# Altium PCB Motor_Controller_v2_1b.PcbDoc (part 2 of 2)
Units mil, origin at the board's own origin, x right, y up, seen from the top; angles counter-clockwise.
Board outline 5876 x 2101 mil, 2 copper layers (Top Layer, Bottom Layer); 253 components, 185 nets, 846 pads, 165 vias.
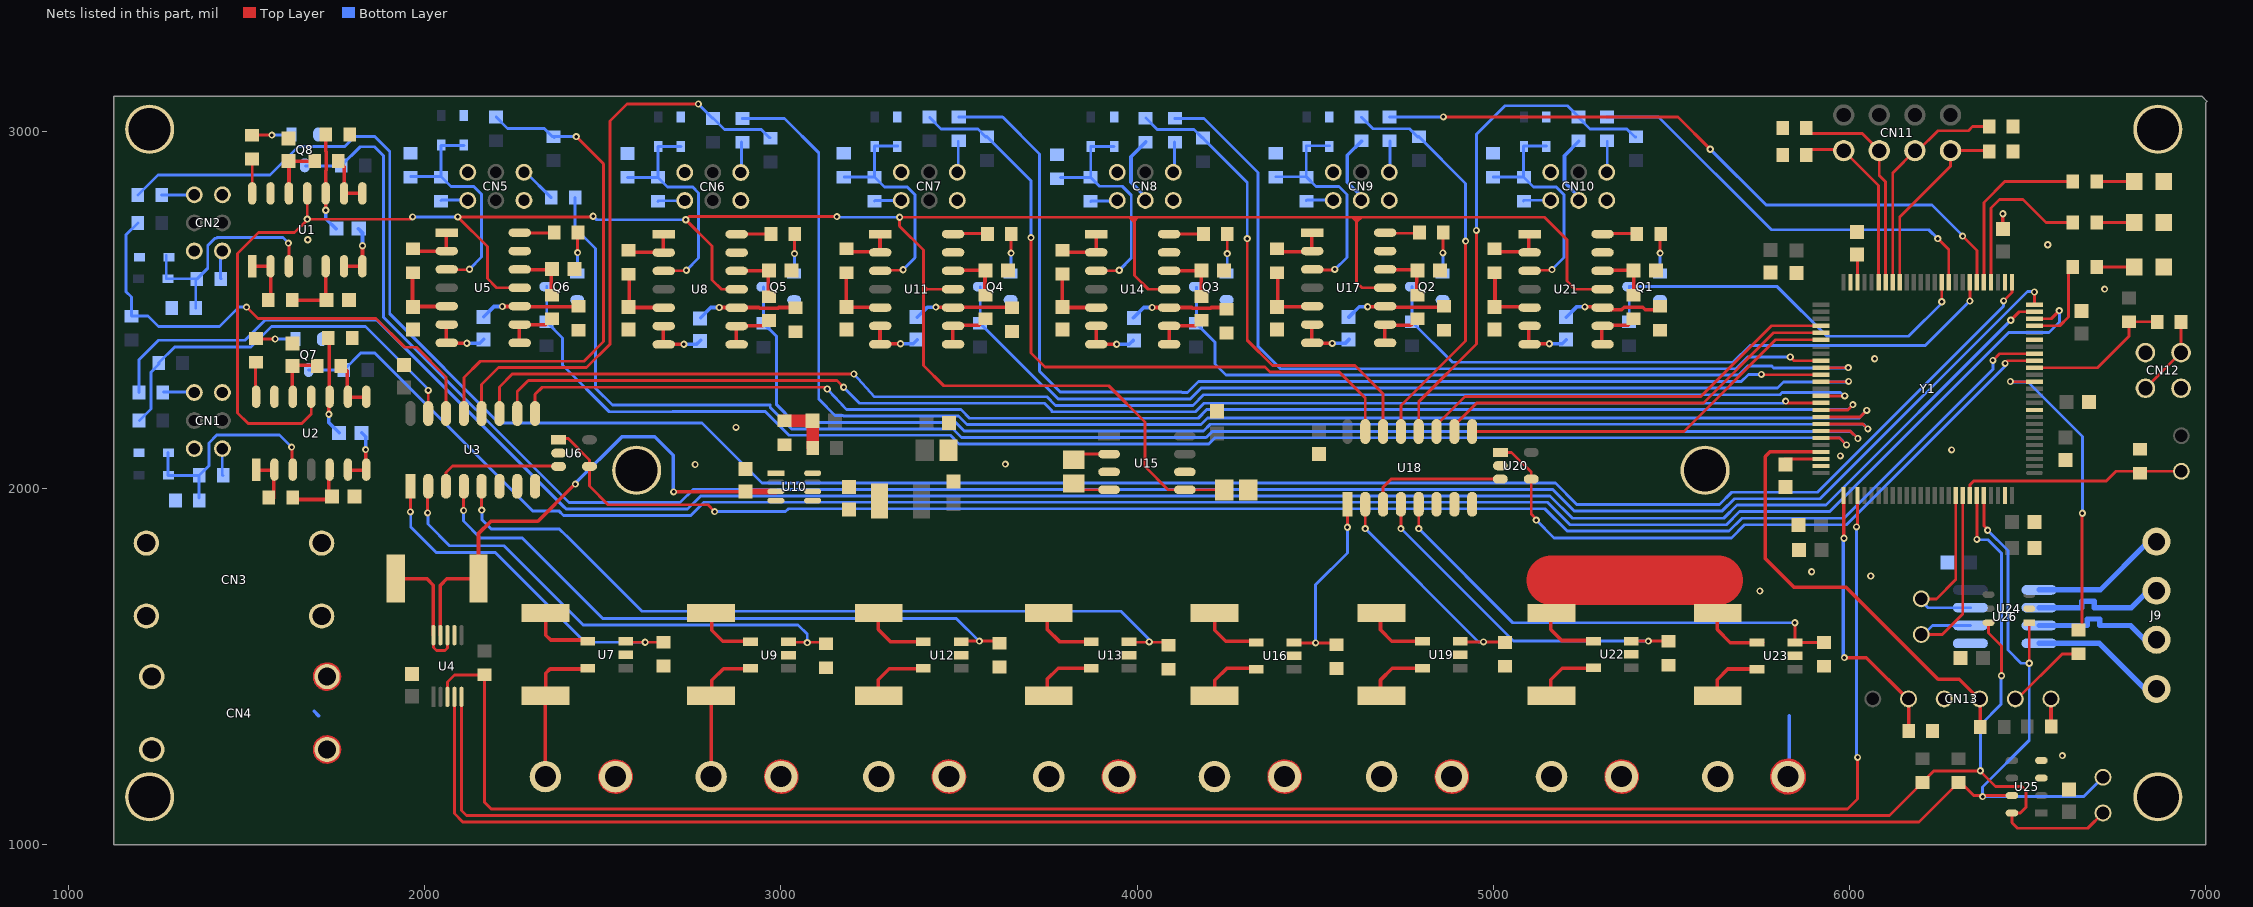
[diagram p2: the nets of this part, all layers, seen from the top]

## Via types
v1: diameter 20, hole 10, Top Layer to Bottom Layer, tented both sides, 165 vias

## Nets (pads, with @x,y where several pads share a name; then routed paths per layer and width w, separated by ;. In a path a pad name is that pad's centre, name@x,y a point inside that pad or via, vN(x,y) a via of type N, cw(c..) or ccw(c..) an arc to the next point about the centre after c; other vN are vias at no path point) (continued)
10k_Therm_M6: CN8.5 R84.2 | length 201.2
  Bottom Layer w10: R84.2@4024.5,2971.37 3982.69,2929.56 3982.69,2858.18 4024.5,2816.37 4024.5,2806.09 CN8.5@4025.76,2806.09
10k_Therm_M7: CN9.5 R78.2 | length 199.7
  Bottom Layer w10: R78.2@4629.63,2973.63 4589.63,2933.63 4589.63,2858.63 4629.63,2818.63 4629.63,2808.35 CN9.5@4630.89,2808.35
10k_Therm_M8: CN10.5 R72.2 | length 199.7
  Bottom Layer w10: R72.2@5239.39,2972.94 5199.39,2932.94 5199.39,2857.94 5239.39,2817.94 5239.39,2807.66 CN10.5@5240.65,2807.66
-3V3: C23.2 U1.11 U2.11 U5.11 U8.11 U11.11 U14.11 U15.5 U17.11 U21.11 | length 7640.7
  Top Layer w8: v1(1670.35,2754.63) v1@1670.54,2754.63 ; U1.11@1670.54,2827.13 v1@1670.54,2754.63 ; U2.11@1681.54,2256.33 1681.54,2207.54 1655,2181 1505,2181 1475,2211 1475,2658 1534,2717 1635,2717 1670.54,2752.54 v1@1670.54,2754.63 ; v1(1966,2761) 1959.63,2754.63 v1@1670.54,2754.63 ; U5.11@2266.91,2562.02 2201.98,2562.02 2176,2588 2176,2678 v1(2093,2761) v1@2476,2761 ; U8.11@2875.8,2557.75 2833.25,2557.75 2807,2584 2807,2679 v1(2733,2753) 2742,2762 v1(3157,2762) ; U11.11@3483.44,2558.09 3410,2558.09 ; U14.11@4089.74,2558.09 4030.91,2558.09 3992,2597 3992,2750 ; C23.2@4231.14,1995.19 U15.5@4133.74,1995.19 4086.81,1995.19 4022,2060 4022,2185 3920,2287 3457,2287 3400,2344 3400,2550 ; U17.11@4696.04,2562.03 4630.97,2562.03 4616,2577 4616,2748 ; U21.11@5306.28,2558.09 5228.91,2558.09 5206,2581 5206,2697 5143,2760 4629,2760 ; 3400,2550 3401.91,2550 3410,2558.09 ; 3400,2550 3400,2560 ; 3400,2560 3401.91,2558.09 3410,2558.09 ; 3400,2560 3400,2568.09 ; 3400,2568.09 3410,2558.09 ; 3400,2568.09 3400,2668 3333,2735 v1(3333,2760) 3979,2760 ; 3979,2760 3992,2760 ; 3979,2760 3989,2750 3992,2750 ; 3992,2750 3992,2760 ; 3992,2750 4001,2759 4001,2760 ; 3992,2760 4001,2760 ; 4001,2760 4604,2760 ; 4604,2760 4616,2760 ; 4604,2760 4616,2748 ; 4616,2748 4616,2760 ; 4616,2748 4617,2748 4629,2760 ; 4616,2760 4629,2760
  Bottom Layer w8: v1(1966,2761) v1(2093,2761) ; v1(2473,2763) 2483,2753 v1(2733,2753) ; v1@3157,2760 v1(3333,2760)
Battery: CN3.1 R9.1 U4.8 U4.10 | length 370.3
  Top Layer w8: 2024.32,1727.5 2024.63,1727.18 ; U4.10@2024.63,1587 2024.63,1552.37 2033,1544 2057,1544 2064,1551 U4.8@2064,1587
  Top Layer w10: R9.1@1919.17,1745.17 1918.72,1745 2006.82,1745 2024.32,1727.5 ; U4.10@2024.63,1587 2024.63,1727.18
Battery-Shunted: C10.2 R9.2 R12.2 R18.2 R26.2 R31.2 R34.2 R40.2 R46.2 R51.2 U4.9 U7.4 U9.4 U10.3 U12.4 U13.4 U16.4 U19.4 U22.4 U23.4 | length 3391.3
  Top Layer w10: U4.9@2044.32,1587 2044.32,1727 2062.32,1745 2150.14,1745 R9.2@2151.14,1746 2151.14,1872.14 2186,1907 2318,1907 v1@2416,2005 ; R12.2@2340,1647.14 2340,1587 2353.6,1573.4 U7.4@2451.85,1573.4 ; v1(2699,1989) 2888.55,1989 2895.55,1996 C10.2@2901.14,1990.41 C10.2@2902,1989.55 ; R18.2@2806,1645.14 2806,1601 2837,1570 U9.4@2914.85,1570 ; C10.2@2895,1982.55 C10.2@2902,1989.55 ; C10.2@2902.86,1990.41 C10.2@2902,1989.55 ; R26.2@3273,1647.14 3273,1603 3307,1569 U12.4@3403.6,1569 ; R31.2@3747,1648.14 3747,1604 3782,1569 U13.4@3877.6,1569 ; R34.2@4218,1645.14 4218,1601 4249,1570 U16.4@4348.6,1570 ; R40.2@4683,1646.14 4683,1602 4715,1570 U19.4@4813.6,1570 ; R46.2@5161,1647.14 5161,1603 5192,1572 U22.4@5291.6,1572 ; R51.2@5628,1647.14 5628,1603 5665,1566 U23.4@5755.85,1566
  Top Layer w15.8: C10.2@2902.86,1990.41 U10.3@2986,1990.41
  Top Layer w140: 5163,1741 5630,1741
  Bottom Layer w10: v1(2423,2011) 2423,2013 2554,2144 2646,2144 2698,2092 v1@2698,1996
blue: R64.2 Y1.30 | length 498.1
  Top Layer w8: Y1.30@6376.53,2577.66 6376.53,2801.53 6435,2860 R64.2@6626.54,2860
BOOT0: JP2.1 R67.2 Y1.94 | length 639.3
  Top Layer w8: Y1.94@6337.16,1979.24 6337.16,2008.88 6348.28,2020 6720,2020 6747,2047 JP2.1@6931,2047
Config-1: CN11.5 R59.2 Y1.42 | length 537.8
  Top Layer w8: Y1.42@6140.31,2577.66 6140.31,2760.31 6283,2903 CN11.5@6283,2947 6389.54,2947 R59.2@6391.54,2945
Config-2: CN11.6 R60.2 Y1.43 | length 631.9
  Top Layer w8: Y1.43@6120.62,2577.66 6120.62,2884.62 CN11.6@6183,2947 6192,2947 6248,3003 6333,3003 6345,3015 R60.2@6391.54,3015
Config-3: CN11.7 R53.2 Y1.44 | length 607.4
  Top Layer w8: R53.2@5878.46,3010 5893.46,2995 6035,2995 CN11.7@6083,2947 6083,2877 6100.94,2859.06 Y1.44@6100.94,2577.66
Config-4: CN11.8 R52.2 Y1.45 | length 515.8
  Top Layer w8: R52.2@5878.46,2950 5980,2950 CN11.8@5983,2947 6081.25,2848.75 Y1.45@6081.25,2577.66
GND: C1.1 C2.1 C3.1 C4.1 C5.1 C6.2 C7.1 C8.1 C9.1 C10.1 C11.1 C13.1 C15.1 C16.2 C17.2 C18.1 C19.1 C21.1 C22.1 C23.1 C24.1 C25.1 C26.1 C27.1 C28.1 C29.1 C30.1 C31.1 C32.1 C33.1 C34.1 C35.2 C36.1 C37.1 C38.1 C39.1 C40.1 C41.1 C42.1 C43.1 CN1.1 CN1.4 CN2.1 CN2.4 CN4.1 CN5.1 CN5.4 CN6.1 CN6.4 CN7.1 CN7.4 CN8.1 CN8.4 CN9.1 CN9.4 CN10.1 CN10.4 CN12.2 CN12.4 CN13.3 D1.1 D2.1 D3.1 D4.A D6.A D8.A D10.A D12.A D14.A D16.A D18.A J1.1 J2.1 J3.1 J4.1 J5.1 J6.1 J7.1 J8.1 MH1.1 MH2.1 MH3.1 MH4.1 MH5.1 MH6.1 Q1.2 Q2.2 Q3.2 Q4.2 Q5.2 Q6.2 Q7.2 Q8.2 R7.1 R8.1 R15.1 R17.1 R21.1 R22.1 R24.1 R29.1 R30.1 R33.1 R37.1 R39.1 R43.1 R45.1 R49.1 R50.1 R52.1 R53.1 R54.1 R55.1 R59.1 R60.1 R67.1 R74.1 R80.1 R86.1 R92.1 R98.1 R104.1 R109.1 R110.1 U1.13 U2.13 U3.6 U3.7 U3.8 U4.7 U5.13 U6.2 U7.2 U8.13 U9.2 U10.1 U10.4 U11.13 U12.2 U13.2 U14.13 U15.3 U15.6 U16.2 U17.13 U18.6 U18.7 U18.8 U19.2 U20.2 U21.13 U22.2 U23.2 U24.2 U25.3 U25.4 U26.4 Y1.10 Y1.20 Y1.27 Y1.49 Y1.74 Y1.99 | length 3092.5
  Top Layer w7.87: CN4.1@1757.62,1266 ccw(c1726.13,1266) CN4.1@1757.62,1266 ; J1.1@2580.77,1190 ccw(c2535.85,1190) J1.1@2580.77,1190 ; J2.1@3045.77,1190 ccw(c3000.85,1190) J2.1@3045.77,1190 ; J3.1@3516.77,1190 ccw(c3471.85,1190) J3.1@3516.77,1190 ; J4.1@3993.77,1190 ccw(c3948.85,1190) J4.1@3993.77,1190 ; J5.1@4458.77,1190 ccw(c4413.85,1190) J5.1@4458.77,1190 ; J6.1@4927.77,1190 ccw(c4882.85,1190) J6.1@4927.77,1190 ; J7.1@5404.77,1190 ccw(c5359.85,1190) J7.1@5404.77,1190
  Top Layer w10: C36.1@6416,2721.5 6430,2735.5 v1(6430,2770)
  Top Layer w11.81: J8.1@5871.77,1190 ccw(c5826.85,1190) J8.1@5871.77,1190
  Top Layer w17.72: CN4.1@1757.4,1266 ccw(c1726.13,1266) CN4.1@1757.4,1266 ; CN4.1@1757.4,1470.72 ccw(c1726.13,1470.72) CN4.1@1757.4,1470.72
  Bottom Layer w10: 1690,1373 1702,1361 ; J1.1@2533,1189.41 J1.1@2533,1190 ; J8.1@5830,1189 5830,1361
  other v1: 6597,1249 5748,1711 6059,1753 5893,1765 2759,2066 3630,2067 5974,2090 6286,2107 2874,2170 6070,2363 6715.26,2558.19 6556,2683 1672,2697
green: R62.2 Y1.22 | length 251
  Top Layer w8: Y1.22@6518.26,2455.61 6589.61,2455.61 6614,2480 6614,2607.46 R62.2@6626.54,2620
Motor1: R113.1 Y1.24 | length 5959.2
  Top Layer w8: v1(6452,2471) 6475.98,2494.98 Y1.24@6518.26,2494.98
  Bottom Layer w8: R113.1@1198.08,2268.14 1198.08,2360.08 1253,2415 1496,2415 1552,2471 1867,2471 2392,1946 2392.54,1946 2397.44,1941.1 2738.1,1941.1 2775,1978 5158.91,1978 5221.91,1915 5646.63,1915 5683.63,1952 5933,1952 v1(6452,2471)
Motor2: R115.1 Y1.26 | length 6307.3
  Top Layer w8: v1(6432,2525.19) 6455.27,2548.46 Y1.26@6455.27,2577.66
  Bottom Layer w8: R115.1@1195.02,2822.87 1251.14,2879 1565.84,2879 1645.63,2958.8 1775.8,2958.8 1804,2987 1860,2987 1902,2945 1902,2489 2208,2183 2778.18,2183 2947.18,2014 5173.82,2014 5233.82,1954 5634.72,1954 5668.72,1988 5909.54,1988 6432,2510.46 v1(6432,2525.19)
Motor3: R99.1 Y1.69 | length 4290.1
  Top Layer w8: Y1.69@5919.84,2160.34 6001.66,2160.34 v1(6023,2139)
  Bottom Layer w8: R99.1@2422.46,2815 2422.46,2729.54 2480,2672 2480,2280 2527,2233 2970.08,2233 2970.08,2226.47 3030.54,2166 3483.27,2166 3507.27,2142 4193.65,2142 4210.65,2159 6003,2159 v1(6023,2139)
Motor4: R95.1 Y1.67 | length 4069.5
  Top Layer w8: Y1.67@5919.84,2199.71 6029.71,2199.71 v1(6048,2218)
  Bottom Layer w8: R95.1@2891.55,3037.28 3009.72,3037.28 3106,2941 3106,2250 3152,2204 3174.54,2204 3176.54,2202 3498.18,2202 3522.18,2178 4178.73,2178 4197.55,2196.82 6026.82,2196.82 v1(6048,2218)
Motor5: R89.1 Y1.61 | length 3119.5
  Top Layer w8: v1@5752,2317.82 Y1.61@5919.84,2317.82
  Bottom Layer w8: R89.1@3499.19,3041.56 3622.44,3041.56 3726,2938 3726,2328 3784,2270 4124.54,2270 4126.54,2268 4141.46,2268 4172.39,2298.94 5695.48,2298.94 5715.54,2319 v1(5752,2319)
Motor6: R83.1 Y1.59 | length 2404.4
  Top Layer w8: v1(5833,2367.82) 5843.63,2357.19 Y1.59@5919.84,2357.19
  Bottom Layer w8: R83.1@4105.49,3037.62 4187.38,3037.62 4339,2886 4339,2398 4402.06,2334.94 5680.57,2334.94 5713.63,2368 v1@5828,2368
Motor7: R77.1 Y1.31 | length 1890.3
  Top Layer w8: v1(4859.44,3041.56) 5518,3041.56 v1(5608.56,2951) ; v1(6317,2707) 6356.84,2667.16 Y1.31@6356.84,2577.66
  Bottom Layer w8: R77.1@4707.85,3041.56 v1(4859.44,3041.56) ; v1(5608.56,2951) 5765.56,2794 6231,2794 v1@6315,2710
Motor8: R71.1 Y1.35 | length 1201.1
  Top Layer w8: v1@6251,2697 6278.1,2669.9 6278.1,2630.9 ; 6278,2631 6278.1,2630.9 ; Y1.35@6278.1,2577.66 6278.1,2630.9
  Bottom Layer w8: R71.1@5318.09,3041.56 5463.44,3041.56 5780,2725 6222,2725 v1(6247,2700)
Motor_Curr_ADC1: R17.2 U3.1 U7.3 | length 1000.5
  Top Layer w8: v1(1960,1933) U3.1@1960,2005 ; U7.3@2564.55,1567 v1(2619,1567) R17.2@2655.85,1567
  Bottom Layer w8: v1@1961,1935 1961,1891 2033.45,1818.55 2199,1818.55 ; 2199,1819 2199,1818.55 ; 2200,1817 2450,1567 v1(2619,1567) ; 2200.55,1817 2199,1818.55
Motor_Curr_ADC2: R24.2 U3.2 U9.3 | length 1449.5
  Top Layer w8: v1(2008.37,1930) 2008.37,2003.37 U3.2@2010,2005 ; U9.3@3010.4,1567 R24.2@3136,1567
  Bottom Layer w8: v1(2008.37,1930) 2009,1929.37 2009,1899 2070,1838 2223,1838 2445,1616 3048,1616 3074,1590 v1(3074,1566)
Motor_Curr_ADC3: R29.2 U3.4 U12.3 | length 1792.4
  Top Layer w8: v1(2109.37,1937) 2109.37,2004.37 U3.4@2110,2005 ; U12.3@3496.4,1570.15 v1(3557,1570.15) R29.2@3612,1570.15
  Bottom Layer w8: v1@2109,1928 2109,1907 2156,1860 2274,1860 2500,1634 3492,1634 3555.85,1570.15 v1(3557,1570.15)
Motor_Curr_ADC4: R33.2 U3.5 U13.3 | length 2225.8
  Top Layer w8: U3.5@2160,2005 2160,1938.37 v1(2160.37,1938) ; U13.3@3974.4,1567.15 R33.2@4095,1567.15
  Bottom Layer w8: v1@2161,1929 2161,1911 2187,1885 2378,1885 2398,1865 2399,1865 2610,1654 3955,1654 4035,1574 4034,1573 v1(4034,1568)
Motor_Curr_ADC5: R39.2 U16.3 U18.1 | length 552.8
  Top Layer w8: U16.3@4440.4,1565.15 v1(4501,1565.15) R39.2@4567,1565.15 ; v1@4590.24,1890 U18.1@4590.24,1954.49
  Bottom Layer w8: v1(4501,1565.15) 4501,1729 4590,1818 v1(4590,1890)
Motor_Curr_ADC6: R45.2 U18.2 U19.3 | length 672.5
  Top Layer w8: v1(4640.24,1886) U18.2@4640.24,1954.49 ; U19.3@4899.4,1568.15 v1(4972,1568.15) R45.2@5040,1568.15
  Bottom Layer w8: v1(4640.24,1886) 4958.09,1568.15 v1(4972,1568.15)
Motor_Curr_ADC7: R50.2 U18.4 U22.3 | length 1004.9
  Top Layer w8: v1(4740.24,1886) U18.4@4740.24,1954.49 ; U22.3@5387.15,1570.15 v1(5435,1570.15) R50.2@5498,1570.15
  Bottom Layer w8: v1(4740.24,1886) 5056.09,1570.15 v1(5435,1570.15)
Motor_Curr_ADC8: R54.2 U18.5 U23.3 | length 1396.9
  Top Layer w8: v1(4790.24,1886) U18.5@4790.24,1954.49 ; U23.3@5836.4,1566.15 R54.2@5944,1566.15 ; v1(5846,1622) 5846.15,1621.85 U23.3@5846.15,1566.4
  Bottom Layer w8: v1(4790.24,1886) 5054.24,1622 v1(5846,1622)
Motor_Curr_Multpexer_Ctrl1: U3.9 Y1.66 | length 3909.2
  Top Layer w8: U3.9@2310,2209.33 2310,2263 2330,2283 3125,2283 v1(3130,2278) ; Y1.66@5919.84,2219.39 5994.39,2219.39 v1(6009,2234)
  Bottom Layer w8: v1(3130,2278) 3184,2220 3505.63,2220 3529.63,2196 4171.28,2196 4195.28,2220 5995,2220 v1(6009,2234)
Motor_Curr_Multpexer_Ctrl2: U3.10 Y1.65 | length 3780.2
  Top Layer w8: U3.10@2260,2209.33 2260,2271 2291,2302 3157,2302 v1(3176,2283) ; v1(5820,2244) 5820,2239.82 5820.74,2239.08 Y1.65@5919.84,2239.08
  Bottom Layer w8: v1(3176,2283) 3221,2238 3739.63,2238 3760.27,2217.36 3760.27,2214 4163.82,2214 4187.82,2238 v1@5813,2238
Motor_Curr_Multpexer_Ctrl3: U3.11 Y1.64 | length 3991
  Top Layer w8: U3.11@2210,2209.33 2210,2284 2246,2320 ; 2245,2320 2246,2320 ; v1(3205,2320) 2246,2320 ; Y1.64@5919.84,2258.76 5985.94,2258.76 v1(5986,2258.82)
  Bottom Layer w8: v1(3205,2320) 3263,2256 3747.09,2256 3771.09,2232 4156.37,2232 4186.37,2262 5804.06,2262 5810.06,2268 5974,2268 v1@5986,2256
Motor_Prot_M1: CN1.3 R113.2 | length 87.1
  Bottom Layer w8: R113.2@1266.6,2269.87 1351.87,2269.87 CN1.3@1353.13,2268.61
Motor_Prot_M2: CN2.3 R115.2 | length 87.1
  Bottom Layer w8: R115.2@1261.66,2822.32 1346.94,2822.32 CN2.3@1348.2,2821.06
Motor_Prot_M3: CN5.3 R99.2 | length 108
  Bottom Layer w8: CN5.3@2278.72,2886.04 2284.5,2886.04 R99.2@2355.54,2815 ; CN5.3@2279.57,2887.61 CN5.3@2280.83,2888.87
Motor_Prot_M4: CN6.3 R95.2 | length 87.1
  Bottom Layer w8: CN6.3@2888.35,2884.92 2889.61,2886.18 R95.2@2889.61,2971.46
Motor_Prot_M5: CN7.3 R89.2 | length 87.1
  Bottom Layer w8: CN7.3@3496.55,2886.17 3497.81,2887.43 R89.2@3497.81,2972.71
Motor_Prot_M6: CN8.3 R83.2 | length 87.1
  Bottom Layer w8: CN8.3@4103.24,2884.83 4104.5,2886.09 R83.2@4104.5,2971.37
Motor_Prot_M7: CN9.3 R77.2 | length 87.1
  Bottom Layer w8: CN9.3@4708.37,2887.09 4709.63,2888.35 R77.2@4709.63,2973.63
Motor_Prot_M8: CN10.3 R71.2 | length 87.1
  Bottom Layer w8: CN10.3@5318.13,2886.4 5319.39,2887.66 R71.2@5319.39,2972.94
NetC1_2: C1.2 R5.1 U1.12 | length 161.5
  Top Layer w10: U1.12@1619.2,2827.32 1619.2,2917.32 R5.1@1690.73,2917.32
NetC2_2: C2.2 R6.1 U2.12 | length 161.5
  Top Layer w10: U2.12@1628.13,2254.87 1628.13,2344.87 R6.1@1699.67,2344.87
NetC3_2: C3.2 R3.2 U1.5 | length 183.6
  Top Layer w10: R3.2@1634.55,2527.32 1722.7,2527.32 1722.35,2527.67 U1.5@1722.35,2622.59
NetC4_2: C4.2 R4.2 U2.5 | length 170.1
  Top Layer w10: R4.2@1643.49,1967.87 1731.28,1967.87 U2.5@1731.28,2050.15
NetC7_2: C7.2 R10.2 U5.5 | length 183.6
  Top Layer w10: R10.2@1965.83,2597.25 1965.83,2509.1 1966.19,2509.46 U5.5@2061.11,2509.46
NetC8_2: C8.2 R13.1 U5.12 | length 161.5
  Top Layer w10: U5.12@2265.83,2612.61 2355.83,2612.61 R13.1@2355.83,2541.07
NetC9_2: C9.2 R16.2 U8.5 | length 183.6
  Top Layer w10: R16.2@2574.61,2594.57 2574.61,2506.42 2574.96,2506.77 U8.5@2669.88,2506.77
NetC11_2: C11.2 R19.1 U8.12 | length 161.5
  Top Layer w10: U8.12@2874.61,2609.92 2964.61,2609.92 R19.1@2964.61,2538.39
NetC12_2: C12.2 R21.2 R23.1 U10.8 | length 156.2
  Top Layer w8: C12.2@3088.8,2188.46 C12.2@3089.15,2188.81 ; C12.2@3090.65,2195.81 C12.2@3091.29,2195.17
  Top Layer w35.5: R21.2@3010,2188.46 C12.2@3088.8,2188.46
  Top Layer w36: R23.1@3089.15,2112.81 C12.2@3089.15,2188.81
NetC13_2: C13.2 R25.2 U11.5 | length 183.6
  Top Layer w10: R25.2@3182.81,2595.82 3182.81,2507.67 3183.17,2508.02 U11.5@3278.09,2508.02
NetC14_1: C14.1 U10.6
NetC14_2: C14.2 L1.1 U10.5
NetC18_2: C18.2 R27.1 U11.12 | length 161.5
  Top Layer w10: U11.12@3482.81,2611.17 3572.81,2611.17 R27.1@3572.81,2539.64
NetC19_2: C19.2 R32.2 U14.5 | length 183.6
  Top Layer w10: R32.2@3789.5,2594.48 3789.5,2506.33 3789.86,2506.69 U14.5@3884.78,2506.69
NetC20_1: C20.1 U15.4 | length 106.3
  Top Layer w8: C20.1@3822,2012.54 3839.35,1995.19 U15.4@3921.14,1995.19
NetC20_2: C20.2 U15.2 | length 105.7
  Top Layer w8: C20.2@3822,2079.46 3837.72,2095.19 U15.2@3921.14,2095.19
NetC21_2: C21.2 R35.1 U14.12 | length 161.5
  Top Layer w10: U14.12@4089.5,2609.83 4179.5,2609.83 R35.1@4179.5,2538.3
NetC24_2: C24.2 R38.2 U17.5 | length 183.6
  Top Layer w10: R38.2@4394.63,2596.74 4394.63,2508.59 4394.98,2508.94 U17.5@4489.91,2508.94
NetC26_2: C26.2 R41.1 U17.12 | length 161.5
  Top Layer w10: U17.12@4694.63,2612.09 4784.63,2612.09 R41.1@4784.63,2540.56
NetC27_2: C27.2 R44.2 U21.5 | length 183.6
  Top Layer w10: R44.2@5004.39,2596.05 5004.39,2507.9 5004.74,2508.25 U21.5@5099.66,2508.25
NetC28_2: C28.2 R47.1 U21.12 | length 161.5
  Top Layer w10: U21.12@5304.39,2611.4 5394.39,2611.4 R47.1@5394.39,2539.87
NetC44_1: C44.1 U21.6 U21.7 | length 161
  Top Layer w10: U21.6@5099.66,2456.68 5099.66,2405.1 v1(5157.22,2405.1)
  Bottom Layer w10: v1(5157.22,2405.1) 5193.05,2405.1 C44.1@5204.39,2416.44
NetC44_2: C44.2 R49.2 U21.10 | length 294.7
  Top Layer w10: v1(5256.7,2508.25) 5304.39,2508.25 5312.64,2500 5359.65,2500 5366.99,2507.35 5418.79,2507.35 5426.13,2500 5469.39,2500 R49.2@5469.39,2508.25
  Bottom Layer w10: C44.2@5204.39,2479.43 5233.2,2508.25 v1(5256.7,2508.25)
NetC45_1: C45.1 U17.6 U17.7 | length 161
  Top Layer w10: U17.6@4489.91,2457.37 4489.91,2405.8 v1(4547.46,2405.8)
  Bottom Layer w10: v1(4547.46,2405.8) 4583.29,2405.8 C45.1@4594.63,2417.13
NetC45_2: C45.2 R43.2 U17.10 | length 278.5
  Top Layer w10: v1(4646.94,2508.94) 4694.63,2508.94 4695.73,2507.84 4859.63,2507.84 R43.2@4859.63,2508.94
  Bottom Layer w10: C45.2@4594.63,2480.13 4623.45,2508.94 v1(4646.94,2508.94)
NetC46_1: C46.1 U14.6 U14.7 | length 161
  Top Layer w10: U14.6@3884.78,2455.11 3884.78,2403.54 v1(3942.34,2403.54)
  Bottom Layer w10: v1(3942.34,2403.54) 3978.17,2403.54 C46.1@3989.5,2414.87
NetC46_2: C46.2 R37.2 U14.10 | length 278.4
  Top Layer w10: v1(4041.82,2506.69) 4152.61,2506.69 4154.39,2504.91 4206.19,2504.91 4207.97,2506.69 R37.2@4254.5,2506.69
  Bottom Layer w10: C46.2@3989.5,2477.87 4018.32,2506.69 v1(4041.82,2506.69)
NetC47_1: C47.1 U11.6 U11.7 | length 161
  Top Layer w10: U11.6@3278.09,2456.45 3278.09,2404.87 v1(3335.65,2404.87)
  Bottom Layer w10: v1(3335.65,2404.87) 3371.47,2404.87 C47.1@3382.81,2416.21
NetC47_2: C47.2 R30.2 U11.10 | length 278.5
  Top Layer w10: v1(3435.13,2508.02) 3482.81,2508.02 3483.91,2506.92 3647.81,2506.92 R30.2@3647.81,2508.02
  Bottom Layer w10: C47.2@3382.81,2479.2 3411.63,2508.02 v1(3435.13,2508.02)
NetC48_1: C48.1 U8.6 U8.7 | length 161
  Top Layer w10: U8.6@2669.88,2455.2 2669.88,2403.62 v1(2727.44,2403.62)
  Bottom Layer w10: v1(2727.44,2403.62) 2763.27,2403.62 C48.1@2774.61,2414.96
NetC48_2: C48.2 R22.2 U8.10 | length 278.8
  Top Layer w10: v1(2826.92,2506.77) 2938.24,2506.77 2940.45,2504.56 2992.25,2504.56 2994.46,2506.77 R22.2@3039.61,2506.77
  Bottom Layer w10: C48.2@2774.61,2477.95 2803.43,2506.77 v1(2826.92,2506.77)
NetC49_1: C49.1 U5.6 U5.7 | length 161
  Top Layer w10: U5.6@2061.11,2457.88 2061.11,2406.31 v1(2118.67,2406.31)
  Bottom Layer w10: v1(2118.67,2406.31) 2154.5,2406.31 C49.1@2165.83,2417.65
NetC49_2: C49.2 R15.2 U5.10 | length 278.5
  Top Layer w10: v1(2218.15,2509.46) 2265.83,2509.46 2266.94,2508.35 2430.83,2508.35 R15.2@2430.83,2509.46
  Bottom Layer w10: C49.2@2165.83,2480.64 2194.65,2509.46 v1(2218.15,2509.46)
NetC50_1: C50.1 U2.6 U2.7 | length 161
  Top Layer w10: U2.6@1782.86,2050.15 1834.43,2050.15 v1(1834.43,2107.71)
  Bottom Layer w10: C50.1@1823.09,2154.87 1834.43,2143.54 v1(1834.43,2107.71)
NetC50_2: C50.2 R8.2 U2.10 | length 278.5
  Top Layer w10: v1(1731.28,2207.19) 1731.28,2254.87 1732.39,2255.98 1732.39,2419.87 R8.2@1731.28,2419.87
  Bottom Layer w10: v1(1731.28,2207.19) 1731.28,2183.69 C50.2@1760.1,2154.87
NetC51_1: C51.1 U1.6 U1.7 | length 161
  Top Layer w10: U1.6@1773.92,2622.59 1825.5,2622.59 v1(1825.5,2680.15)
  Bottom Layer w10: C51.1@1814.16,2727.32 1825.5,2715.98 v1(1825.5,2680.15)
NetC51_2: C51.2 R7.2 U1.10 | length 278.1
  Top Layer w10: v1(1722.35,2779.63) 1722.35,2890.39 1723.73,2891.78 1723.73,2943.58 1722.35,2944.96 R7.2@1722.35,2992.32
  Bottom Layer w10: v1(1722.35,2779.63) 1722.35,2756.13 C51.2@1751.17,2727.32
NetCN12_1: CN12.1 CN12.3 R68.2 | length 228
  Top Layer w8: CN12.3@6830,2280 CN12.1@6930,2380 R68.2@6930,2466.54
NetCN13_5: CN13.5 R65.1 | length 239.4
  Top Layer w8: CN13.5@6465,1408 6470,1408 6596.54,1534.54 R65.1@6642,1534.54 R65.1@6652,1534.54
NetD1_2: D1.2 R62.1 | length 105.2
  Top Layer w8: R62.1@6693.46,2620 D1.2@6798.66,2620
NetD2_2: D2.2 R63.1 | length 105.2
  Top Layer w8: R63.1@6693.46,2745 D2.2@6798.66,2745
NetD3_2: D3.2 R64.1 | length 105.2
  Top Layer w8: R64.1@6690,2860 R64.1@6693.46,2860 D3.2@6795.2,2860
NetJ1_2: J1.2 R12.1 U7.5 | length 410
  Top Layer w10: J1.2@2339,1190 R12.1@2339,1416.86 2340,1417.86 2340,1480 2352,1492 2445.25,1492 U7.5@2451.85,1498.6
NetJ2_2: J2.2 R18.1 U9.5 | length 393.5
  Top Layer w10: J2.2@2804,1190 R18.1@2804,1416.86 ; R18.1@2806,1415.86 2806,1460 2839,1493 U9.5@2914.85,1493